# Altium PCB PCB1.PcbDoc
Units mm, origin at the board's own origin, x right, y up, seen from the top; angles counter-clockwise.
Board outline 100 x 100 mm, 2 copper layers (Top Layer, Bottom Layer); 7 components, 11 nets, 66 pads, 0 vias.
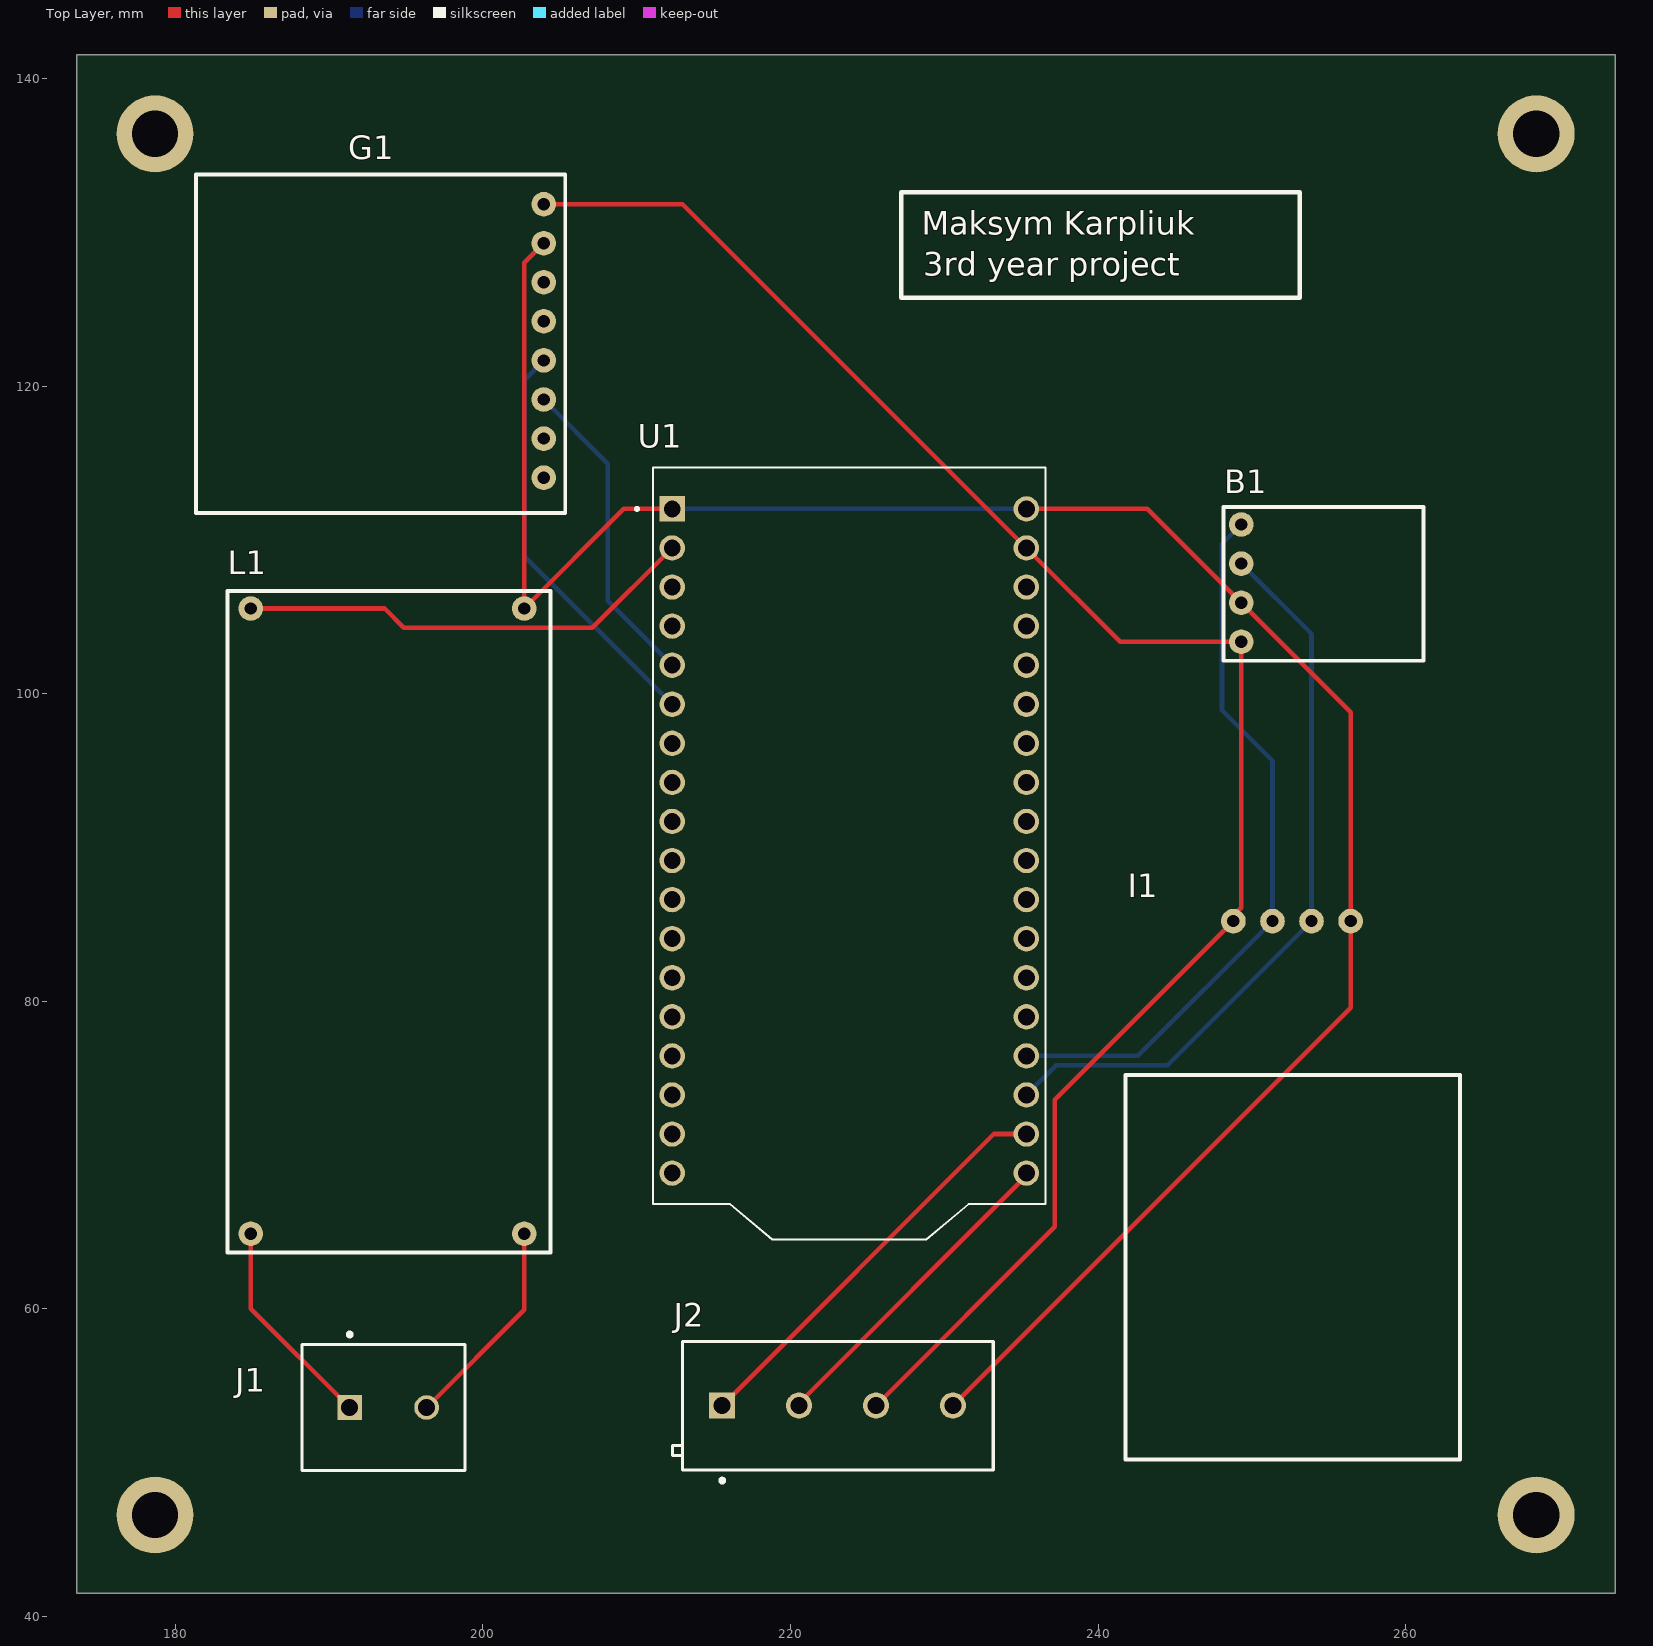
[diagram p0: Top Layer view]
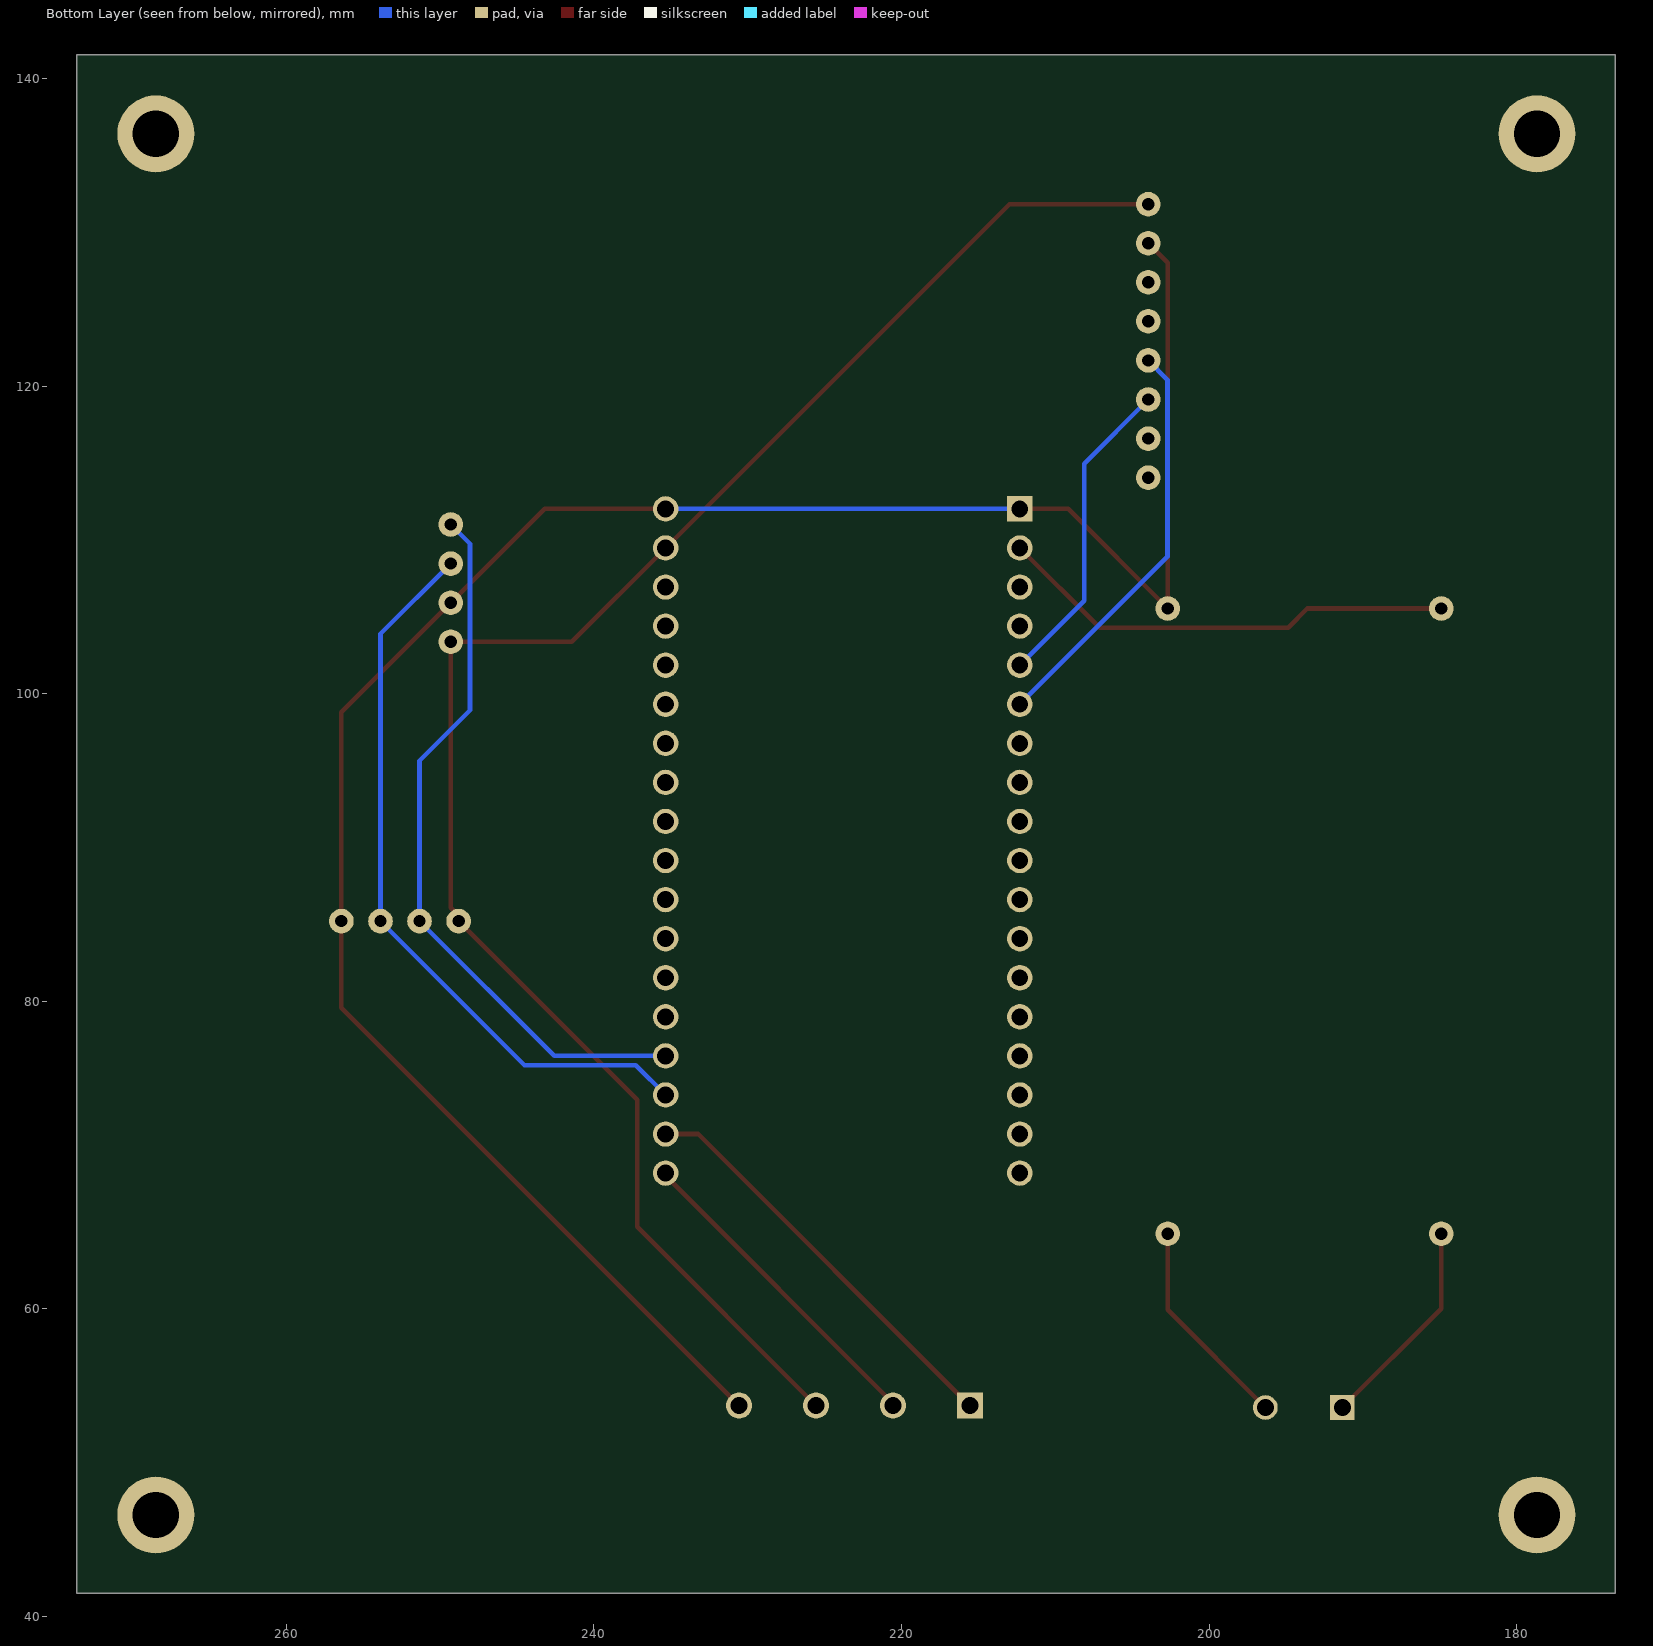
[diagram p1: Bottom Layer view, seen from below]
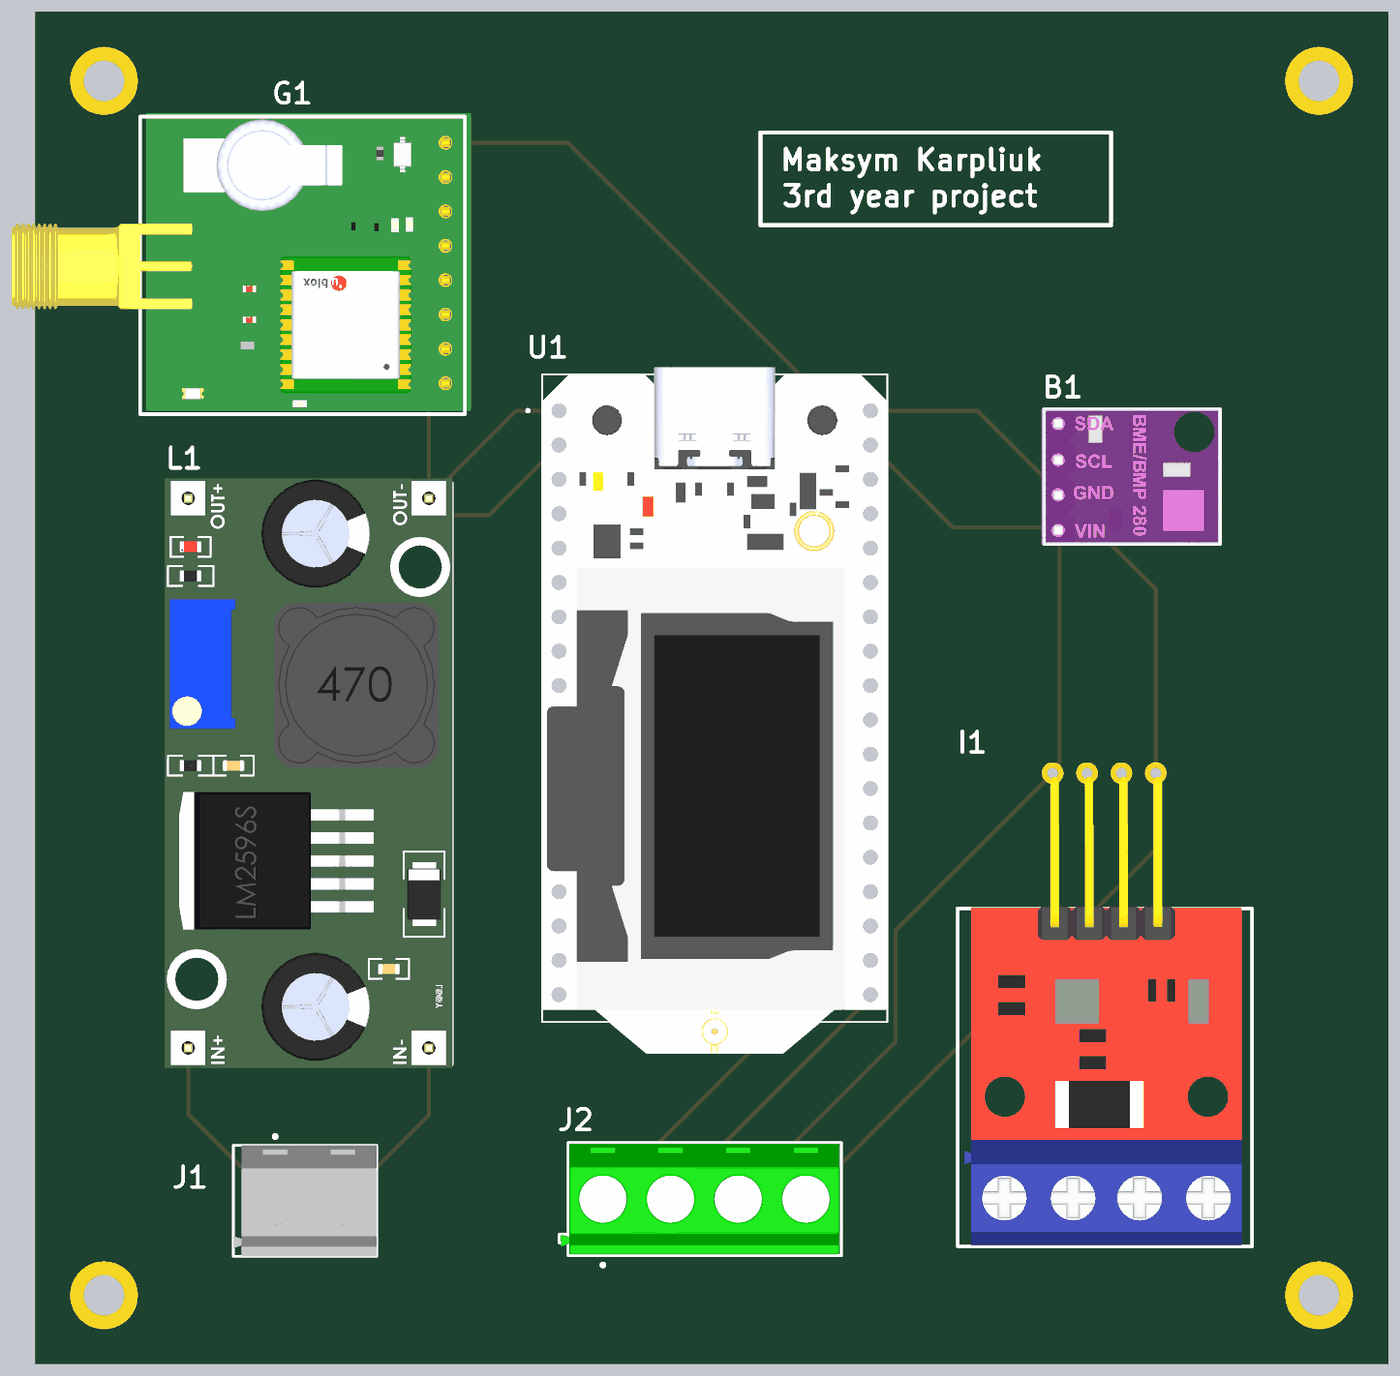
[diagram p2: 3D render of the assembled board from above, using the file's embedded part models]

## Layer stack, top to bottom
Top Solder: solder mask 0.0102, Solder Resist, Dk 3.5
Top Layer: signal copper 0.0356
Dielectric 1: dielectric 0.32, FR-4, Dk 4.8
Bottom Layer: signal copper 0.0356
Bottom Solder: solder mask 0.0102, Solder Resist, Dk 3.5

## Board outline
173.609,41.529 173.609,141.529 273.609,141.529 273.609,41.529

## Design rules (kind name [scope] priority, off if disabled: settings)
Clearance [All] p1: gap=0.3 ignorepadtopadclearanceinfootprint=FALSE
HoleSize [All] p1: absolutevalues=TRUE maxlimit=6 minlimit=0.3 maxpercent=80.000 minpercent=20.000
PolygonConnect [All] p1: connectstyle=Relief reliefconductorwidth=0.254 reliefentries=4 polygonreliefangle="90 Angle" airgapwidth=0.254
RoutingVias [All] p1: holewidth=0.711 width=1.27 viastyle="Through Hole" minholewidth=0.711 minwidth=1.27 maxholewidth=0.711 maxwidth=1.27
SolderMaskExpansion [All] p1: expansion=0 istentingtop=FALSE
SupplyNets "Schematic Supply Nets_4" [InNet('B+')] p1: voltage=0.000
SupplyNets "Schematic Supply Nets_3" [InNet('B-')] p2: voltage=0.000
SupplyNets "Schematic Supply Nets_2" [InNet('+5')] p3: voltage=0.000
SupplyNets "Schematic Supply Nets_1" [InNet('GND')] p4: voltage=0.000
SupplyNets "Schematic Supply Nets" [InNet('VCC')] p5: voltage=0.000
Width [All] p1: maxlimit=0.3 minlimit=0.3 preferedwidth=0.3
29 further rules are at their usual default settings.

## Classes and differential pairs
component class Sheet1: B1 G1 I1 J2 L1 U1

## Components (designator, comment, footprint, x,y, rotation, side; value= is the part's Value field where it differs from the comment)
B1 "BMP280" BMP280 249.301,103.378 r180 top
G1 "MAX-M10S" MAX-M10S 203.962,131.826 r0 top
I1 "INA226" INA226 248.793,85.217 r90 top
J1 "282836-2" TECO-282836-2_V 193.842,53.594 r0 top
J2 "282836-4" FP-282836-4-MFG 222.758,53.721 r0 top
L1 "LM2596" LM2596 184.912,64.897 r90 top
U1 "WIFI_KIT_32_(V3)" MODULE_WIFI_KIT_32_(V3) 223.821,89.614 r0 top

## Footprints (in the part's own frame and the unit in brackets; to place one, negate y for a bottom-side part, rotate by r counter-clockwise, add the part's x,y. Pads: shape width x height; smd on the part's side, far side on the other; paste and mask are expansions set on the pad)
BMP280 [mm]
  round 1.6 hole 0.8: 1(0,0) 2(0,-2.54) 3(0,-5.08) 4(0,-7.62)
  silkscreen extent -11.86,-8.76 1.14,1.24, body extent -11.76,-8.76 1.34,1.24, height 2.5
FP-282836-4-MFG [mm]
  rect 1.7x1.7 hole 1.1 paste-2539.97 mask+0: 1(-7.2,0)
  round 1.7 hole 1.1 paste-2539.97 mask+0: 2(-2.2,0) 3(2.8,0) 4(7.8,0)
  silkscreen extent -10.43,-5 10.43,4.18, body extent -10.52,-4.28 10.53,4.28, height 0.25
INA226 [mm]
  round 1.6 hole 0.8: 1(0,0) 2(0,-2.54) 3(0,-5.08) 4(0,-7.62)
  silkscreen extent -35,-14.73 -10,7.01, body extent -34.92,-13.97 -0.27,6.53, height 11.5
LM2596 [mm]
  round 1.6 hole 0.8: 1(0,0) 2(0,-17.78) 3(40.64,0) 4(40.64,-17.78)
  silkscreen extent -1.22,-19.48 41.78,1.52, body extent -1.48,-19.54 42.12,1.76, height 16.8
MAX-M10S [mm]
  round 1.6 hole 0.8: 1(0,0) 2(0,-2.54) 3(0,-5.08) 4(0,-7.62) 5(0,-10.16) 6(0,-12.7) 7(0,-15.24) 8(0,-17.78)
  silkscreen extent -22.6,-20.07 1.4,1.93, body extent -32.09,-19.81 1.86,2.19, height 4.67
MODULE_WIFI_KIT_32_(V3) [mm]
  rect 1.65x1.65 / inner round 1.65 / far side rect 1.65x1.65 hole 1.1: J2_1(-11.51,22.4)
  round 1.65 hole 1.1: J2_2(-11.51,19.86) J2_3(-11.51,17.32) J2_4(-11.51,14.78) J2_5(-11.51,12.24) J2_6(-11.51,9.7) J2_7(-11.51,7.16) J2_8(-11.51,4.62) J2_9(-11.51,2.08) J2_10(-11.51,-0.46) J2_11(-11.51,-3) J2_12(-11.51,-5.54) J2_13(-11.51,-8.08) J2_14(-11.51,-10.62) J2_15(-11.51,-13.16) J2_16(-11.51,-15.7) J2_17(-11.51,-18.24) J2_18(-11.51,-20.78) J3_1(11.51,22.4) J3_2(11.51,19.86) J3_3(11.51,17.32) J3_4(11.51,14.78) J3_5(11.51,12.24) J3_6(11.51,9.7) J3_7(11.51,7.16) J3_8(11.51,4.62) J3_9(11.51,2.08) J3_10(11.51,-0.46) J3_11(11.51,-3) J3_12(11.51,-5.54) J3_13(11.51,-8.08) J3_14(11.51,-10.62) J3_15(11.51,-13.16) J3_16(11.51,-15.7) J3_17(11.51,-18.24) J3_18(11.51,-20.78)
  silkscreen extent -13.9,-25.1 12.75,25.1, body extent -12.75,-25.1 12.75,25.61, height 9.3
TECO-282836-2_V [mm] "Female Header, Pitch 5mm, 1 x 2 Position, Height 10mm"
  rect 1.6x1.6 hole 1.1: 1(-2.5,0)
  round 1.6 hole 1.1: 2(2.5,0)
  silkscreen extent -5.6,-4.1 5,4.87, body extent -5.6,-4.1 5,4.1, height 10

## Part data
J1: library part CMP-1684-00017-1, "Female Header, Pitch 5 mm, 1 x 2 Position, Height 10 mm, Tail Length 3.5 mm, Rohs, Bulk", Color=Green, Current=13.5A, Manufacturer="TE Connectivity", Package Description="Female Header, Pitch 5 mm, 1 x 2 Position, Height 10 mm, Tail Length 3.5 mm", Package Reference=THD, Standard Package=300, Voltage=300V, 3D Model=282836-2.pdf, Category=Connectors,Interconnects, Clamp Material - Plating=Brass-NickelPlated, Contact Material - Plating=Brass-TinPlated, Datasheet URL=http://www.te.com.cn/commerce/DocumentDelivery/DDEController?Action=showdoc&DocId=Catalog+Section%7F1308389_EUROSTYLE_TERMINAL_BLOCKS%7F0607%7Fpdf%7FEnglish%7FENG_CS_1308389_EUROSTYLE_TERMINAL_BLOCKS_0607.pdf%7F282836-2, Dynamic Catalog=BuchananSeries, Family=TerminalBlocks-WiretoBoard, Featured Product=EurostyleTerminalBlockConnectors, Features=Interlocking(Side), Housing Material=Polyamide(PA66),Nylon6/6, Manufacturer URL=http://www.te.com, Mating Orientation=HorizontalwithBoard, Mounting Type=ThroughHole, Number of Levels=1, Other Names="5ULV-02B / A98076", Packaging=Bulk, Pitch="0.197\"(5.00mm)", Positions Per Level=2, Product Training Modules=Wire-to-BoardEurostyleTerminalBlocks, RoHS Information=282836-2StatementofCompliance, Screw Material - Plating=Brass-NickelPlated, Screw Thread=M3, Series=Buchanan, Torque - Screw=0.68Nm(6Lb-In), Wire Gauge=16-30AWG, Wire Termination=Screw-RisingCageClamp
J2: library part CMP-03790-46505329-1, "282836-4 Connector, Terminal Block; Wire Receptacle; 4 Pos.; 16-30 AWG; 0.197 in. CL; Sid", Color=Green, Current=13.5A, Flammability Rating="UL94 V-0", Manufacturer Lifecycle Status=ACTIVE, Max Supply Voltage (AC)=300V, Voltage Rating (AC)=250V, Approvals=UL, Connector System=Wire-to-Board, Connector Type=Receptacle, Contact Material=Brass, Contact Plating=Tin, Current Rating=13.5A, Depth=8.2mm, ELV=Compliant, Housing Color=Green, Housing Material=Polyamide, Lead Free="Lead Free", Lead Pitch=5mm, Length=20mm, Lifecycle Status=Production, Max Current Rating=13.5A, Max Voltage Rating (AC)=300V, Mount="Through Hole", NexarPartId=46505329, Number of Circuits=4, Number Of Contacts=4, Number of Levels=1, Number of Poles=4, Number of Positions=4, Number of Positions Per Level=4, Number Of Rows=1, Operating Supply Voltage=300V, Orientation=Straight, Packaging=Bulk, Pitch=5mm, Plating=Brass, Radiation Hardening=No, REACH SVHC=Unknown, RoHS=Compliant, Tail Length=3.5mm, Termination="Screw, Solder", Thread Size=M3, Voltage=300V, Voltage Rating=300V, Voltage Rating (DC)=250V, Width=10mm, Wire Gauge (Max)=30AWG, Wire Gauge (Min)=30AWG
U1: "*GPIO input only*ADC preamplifier*GPIOs are 3.3V tolerant only", Package=Package, Check_prices=https://www.snapeda.com/parts/WIFI%20KIT%2032%20(V3)/Heltec+Automation/view-part/?ref=eda, MF="Heltec Automation", MP="WIFI KIT 32 (V3)", SnapEDA_Link=https://www.snapeda.com/parts/WIFI%20KIT%2032%20(V3)/Heltec+Automation/view-part/?ref=snap

## Free pads (board coordinates)
  round 5 hole 3: 1(178.689,46.609) 1(178.689,136.398) 1(268.478,46.609) 1(268.478,136.398)

## Nets (pads, with @x,y where several pads share a name; then routed paths per layer and width w, separated by ;. In a path a pad name is that pad's centre, name@x,y a point inside that pad or via, vN(x,y) a via of type N, cw(c..) or ccw(c..) an arc to the next point about the centre after c; other vN are vias at no path point)
+5: L1.3 U1.J2_2 | length 30.1
  Top Layer w0.3: L1.3 193.612,105.537 194.862,104.287 207.124,104.287 U1.J2_2
B+: J1.1 L1.1 | length 14
  Top Layer w0.3: L1.1 184.912,60.024 J1.1
B-: J1.2 L1.2 | length 13.9
  Top Layer w0.3: J1.2 202.692,59.944 L1.2
GND: B1.2 G1.2 I1.4 J2.4 L1.4 U1.J2_1 U1.J3_1 | length 141.9
  Top Layer w0.3: G1.2 202.692,128.016 L1.4 209.169,112.014 U1.J2_1 ; J2.4 256.413,79.576 I1.4 256.413,98.806 B1.2 243.205,112.014 U1.J3_1
  Bottom Layer w0.3: U1.J2_1 U1.J3_1
NetB1_3: B1.3 I1.3 U1.J3_16 | length 48.4
  Bottom Layer w0.3: U1.J3_16 237.271,75.854 244.51,75.854 I1.3 253.873,103.886 B1.3
NetB1_4: B1.4 I1.2 U1.J3_15 | length 47.3
  Bottom Layer w0.3: U1.J3_15 242.57,76.454 I1.2 251.333,95.631 248.051,98.913 248.051,109.748 B1.4
NetG1_5: G1.5 U1.J2_6 | length 26.8
  Bottom Layer w0.3: G1.5 202.712,120.416 202.712,108.913 U1.J2_6
NetG1_6: G1.6 U1.J2_5 | length 20.7
  Bottom Layer w0.3: G1.6 208.132,114.956 208.132,106.033 U1.J2_5
RX: J2.1 U1.J3_17 | length 27.1
  Top Layer w0.3: J2.1 233.211,71.374 U1.J3_17
TX: J2.2 U1.J3_18 | length 21.2
  Top Layer w0.3: J2.2 220.558,53.891 235.331,68.664 U1.J3_18
VCC: B1.1 G1.1 I1.1 J2.3 U1.J3_2 | length 116.6
  Top Layer w0.3: G1.1 212.979,131.826 U1.J3_2 241.427,103.378 B1.1 249.301,86.077 248.793,85.569 I1.1 237.185,73.609 237.185,65.348 J2.3
pads on no net: G1.3 G1.4 G1.7 G1.8 U1.J2_3 U1.J2_4 U1.J2_7 U1.J2_8 U1.J2_9 U1.J2_10 U1.J2_11 U1.J2_12 U1.J2_13 U1.J2_14 U1.J2_15 U1.J2_16 U1.J2_17 U1.J2_18 U1.J3_3 U1.J3_4 U1.J3_5 U1.J3_6 U1.J3_7 U1.J3_8 U1.J3_9 U1.J3_10 U1.J3_11 U1.J3_12 U1.J3_13 U1.J3_14

## Silkscreen, mask and mechanical layers (free items; w line width, h text height)
Top Overlay:
  lines w0.3: 227.203,125.73 253.111,125.73 253.111,132.588 227.203,132.588 227.203,125.73
  text "Maksym Karpliuk" at 228.519,129.84 h1.52
  text "3rd year project" at 228.646,127.173 h1.52

## Dimensions
173.609,141.529 to 273.685,141.605 on Top Layer